# Altium PCB zs_sener_pcb.PcbDoc
Units mil, origin at the board's own origin, x right, y up, seen from the top; angles counter-clockwise.
Board outline 3875.03 x 1348.61 mil, 2 copper layers (Top Layer, Bottom Layer); 40 components, 33 nets, 133 pads, 54 vias.
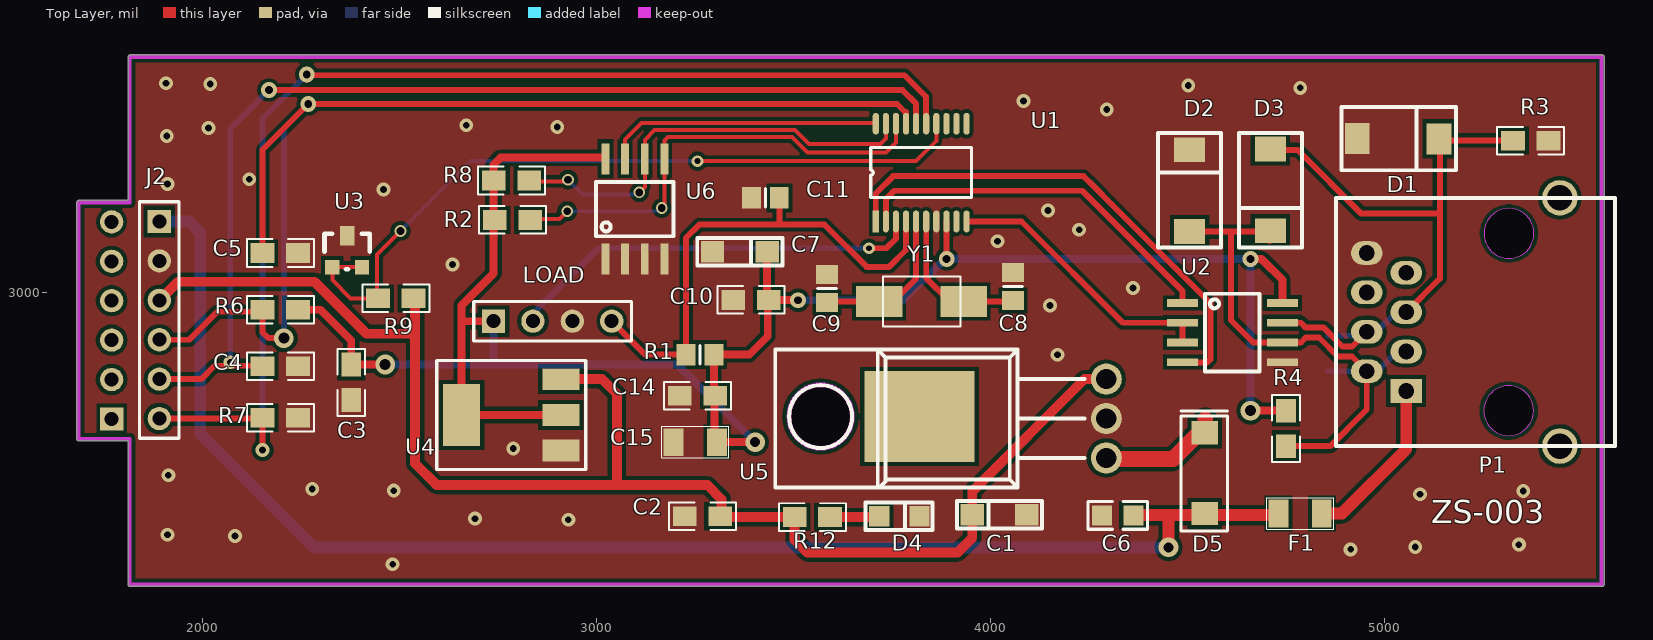
[diagram p0: Top Layer view]
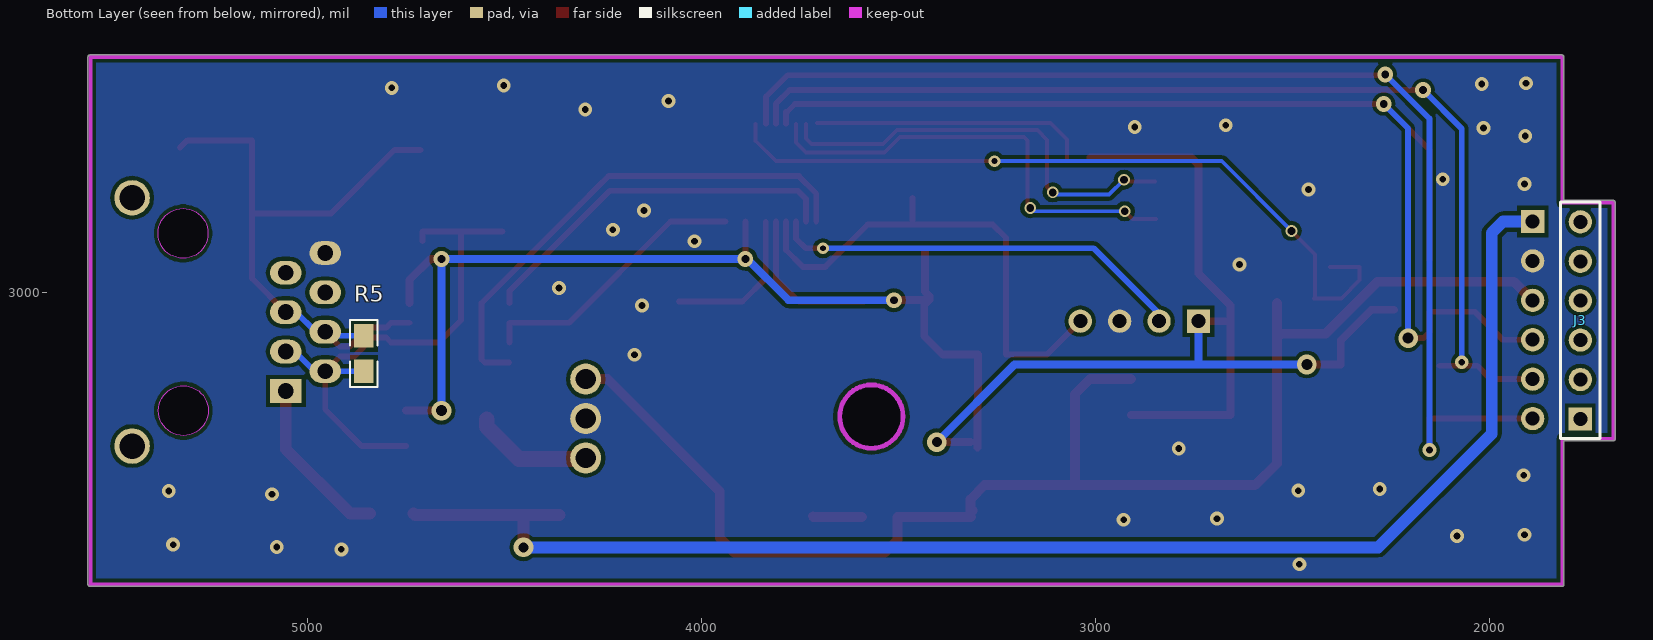
[diagram p1: Bottom Layer view, seen from below]

## Layer stack, top to bottom
Top Solder: solder mask 0.4, Solder Resist, Dk 3.5
Top Layer: signal copper 1.4
Dielectric 1: dielectric 12.6, FR-4, Dk 4.8
Bottom Layer: signal copper 1.4
Bottom Solder: solder mask 0.4, Solder Resist, Dk 3.5

## Board outline
1686,2622.99 cw(c1686,2628) 1680.98,2628 1680.98,3228.58 cw(c1686,3228.58) 1686,3233.6 1810.98,3233.6 1810.98,3597.58 cw(c1816,3597.58) 1816,3602.6 5551,3602.6 cw(c5551,3597.58) 5556.02,3597.58 5556.02,2259 cw(c5551,2259) 5551,2253.99 1816,2253.99 cw(c1816,2259) 1810.98,2259 1810.98,2622.99
cut-out: 5250.78,2699.95 ccw(c5314.04,2699.95) 5314.04,2636.69 ccw(c5314.04,2699.95) 5377.29,2699.95 ccw(c5314.04,2699.95) 5314.04,2763.2 ccw(c5314.04,2699.95)
cut-out: 5251.47,3149.73 ccw(c5314.73,3149.73) 5314.73,3086.47 ccw(c5314.73,3149.73) 5377.98,3149.73 ccw(c5314.73,3149.73) 5314.73,3212.98 ccw(c5314.73,3149.73)
cut-out: 3488.75,2685 ccw(c3568,2685) 3568,2605.75 ccw(c3568,2685) 3647.25,2685 ccw(c3568,2685) 3568,2764.25 ccw(c3568,2685)

## Design rules (kind name [scope] priority, off if disabled: settings)
Clearance Clearance_1 [InPolygon] p1: gap=10
Clearance [All] p2: gap=8
DiffPairsRouting [All] p1: maxlimit=10 minlimit=10 mostfreqgap=10 toplayer_minwidth=15 toplayer_maxwidth=15 toplayer_prefwidth=15 bottomlayer_minwidth=15 bottomlayer_maxwidth=15 bottomlayer_prefwidth=15 maxuncoupledlength=500
PolygonConnect [All] p1: connectstyle=Direct reliefconductorwidth=10 reliefentries=2 polygonreliefangle="90 Angle" airgapwidth=10
RoutingVias [All] p1: holewidth=28 width=50 viastyle="Through Hole" minholewidth=28 minwidth=50 maxholewidth=28 maxwidth=50
SolderMaskExpansion [All] p1: expansion=4
Width [All] p1: maxlimit=40 minlimit=6 preferedwidth=20
29 further rules are at their usual default settings.

## Classes and differential pairs
differential pair 485: +485_P -485_N

## Components (designator, comment, footprint, x,y, rotation, side; value= is the part's Value field where it differs from the comment)
C1 "10uF" 1206-d 4106.39,2435.97 r180 top
C2 "104" 0805 3223,2432 r0 top
C3 "104" 0805 2377,2727 r90 top
C4 "104" 0805 2242,2813 r180 top
C5 "104" 0805 2242,3100 r180 top
C6 "104" 0805C 4282,2434 r0 top
C7 "Cap" 1206-d 3279,3103 r0 top
C8 "Cap" 6-0805_N 4056,3015 r90 top
C9 "Cap" 6-0805_N 3584,3010 r270 top
C10 "Cap" 0805 3436.43,2981 r180 top
C11 "Cap" 6-0805_N 3428,3240 r0 top
C14 "Cap" 0805 3211,2738 r0 top
C15 "Cap Pol1" 1206 3305,2620 r180 top
D1 "SMBJ6.5CA" "smb do214aa" 4930,3390 r0 top
D2 "SMBJ6.5CA" "smb do214aa" 4504.31,3154.26 r90 top
D3 "SMBJ6.5CA" "smb do214aa" 4709.31,3364.26 r270 top
D4 "LED" 0805-D 3717,2432 r0 top
D5 "M7" "SMA (DO-214AC)" 4543,2644 r270 top
F1 "PPTC" 1206 4840,2439 r180 top
J2 "Header 6" HDR1X6 1890,3180 r270 top
J3 "Header 6" HDR1X6 1769,2679 r90 bottom
LOAD "SWIM" HDR1X4 2738,2927 r0 top
P1 "RJ45" RJ45 5054,2750 r90 top
R1 "Res1" 6-0805_N 3262,2842 r0 top
R2 "10K" 0805 2831,3184 r180 top
R3 "1K" 0805 5325,3385 r0 top
R4 "1K" 0805 4749,2700 r270 top
R5 "120" 0805 4856,2890 r270 bottom
R6 "10K" 0805 2152,2956 r0 top
R7 "1K" 0805 2242,2682 r180 top
R8 "10K" 0805 2829,3284 r180 top
R9 "100" 0805 2535,2985 r180 top
R12 "1K" 0805 3502,2430 r0 top
U1 "STM8L051F3" SOP20 3708.05,3180 r90 top
U2 "SP3485" SOP8 4486.06,2973 r0 top
U3 "TL431" sot-23 2329,3064 r0 top
U4 "AMS1117-3.3" SOT-223 2909,2599 r90 top
U5 "LM7805" TO-220 4293,2580 r90 top
U6 "AT24C02" sop8 3022,3085.06 r90 top
Y1 "16MHz" Y2 3931,2977 r180 top

## Footprints (in the part's own frame and the unit in brackets; to place one, negate y for a bottom-side part, rotate by r counter-clockwise, add the part's x,y. Pads: shape width x height; smd on the part's side, far side on the other; paste and mask are expansions set on the pad)
6-0805_N [mm] "Chip Resistor, Body 2.0x1.2mm, IPC Medium Density"
  rect 1.2x1.4 smd: 1(-0.9,0) 2(0.9,0)
  silkscreen extent 0,-0.6 0,0.6, body extent -1.07,-0.7 1.07,0.7, height 0.7
0805 [mil]
  rect 60x50 smd: 1(0,0) 2(90,0)
  silkscreen extent -40,-35 130,35
0805-D [mm]
  rect 1.3x1.3 smd: 1(0,0) 2(2.596,0)
  silkscreen extent -0.89,-0.89 3.43,0.89
0805C [mm] "0805无极性电容"
  rect 1.3x1.3 smd: 1(0,0) 2(2.027,0)
  silkscreen extent -0.9,-0.89 2.92,0.89
1206 [mil]
  rect 50x70 smd: 1(0,0) 2(110,0)
  silkscreen extent -30,-40 140,40
1206-d [mm]
  rect 1.5x1.4 smd: 1(0.381,0) 2(3.896,-0.001)
  silkscreen extent -0.61,-0.89 4.88,0.89
HDR1X4 [mm] "Connector; Header; 4 Position"
  rect 1.5x1.5 hole 0.9: 1(0,0)
  round 1.5 hole 0.9: 2(2.54,0) 3(5.08,0) 4(7.62,0)
  silkscreen extent -1.27,-1.27 8.89,1.27
HDR1X6 [mm] "Connector; Header; 6 Position"
  rect 1.5x1.5 hole 0.9: 1(0,0)
  round 1.5 hole 0.9: 2(2.54,0) 3(5.08,0) 4(7.62,0) 5(10.16,0) 6(12.7,0)
  silkscreen extent -1.27,-1.27 13.97,1.27
RJ45 [mil]
  rect 60x80 hole 40: 1(0,0)
  oval 60x80 hole 40: 2(50,100) 3(100,0) 4(150,100) 5(200,0) 6(250,100) 7(300,0) 8(350,100)
  round 90 hole 65: 11(490,-390) 12(-140,-390)
  silkscreen extent -140,-530 490,179
"SMA (DO-214AC)" [mm]
  rect 1.5x1.7 smd: 1(0,0) 2(5.213,0)
  silkscreen extent -1.4,-1.52 6.33,1.47
"smb do214aa" [mm]
  rect 1.6x2 smd: 1(0,0) 2(5.273,-0.003)
  silkscreen extent -1.02,-2.03 6.35,2.03
SOP8 [mm]
  rect 2x0.5 smd: 1(0,0) 2(0,-1.27) 3(0,-2.54) 4(0,-3.81) 5(6.45,-3.81) 6(6.45,-2.54) 7(6.45,-1.27) 8(6.45,0)
  silkscreen extent 1.46,-4.4 4.96,0.6
sop8 [mm]
  rect 2x0.5 smd: 1(0,0) 2(0,-1.27) 3(0,-2.54) 4(0,-3.81) 5(6.45,-3.81) 6(6.45,-2.54) 7(6.45,-1.27) 8(6.45,0)
  silkscreen extent 1.46,-4.4 4.96,0.6
SOP20 [mm]
  rect 1.4x0.4 smd: 1(0,0)
  oval 1.4x0.4 smd: 2(0,-0.65) 3(0,-1.3) 4(0,-1.95) 5(0,-2.6) 6(0,-3.25) 7(0,-3.9) 8(0,-4.55) 9(0,-5.2) 10(0,-5.85) 11(6.3,-5.85) 12(6.3,-5.2) 13(6.3,-4.55) 14(6.3,-3.9) 15(6.3,-3.25) 16(6.3,-2.6) 17(6.3,-1.95) 18(6.3,-1.3) 19(6.3,-0.65) 20(6.3,0)
  silkscreen extent 1.53,-6.18 4.77,0.33
sot-23 [mil]
  rect 36x36 smd: 1(0,0) 2(75,0)
  rect 36x50 smd: 3(38,80)
  silkscreen extent -20,-5 95,85
SOT-223 [mil]
  rect 55x94 smd: 1(0,0) 2(90,0) 3(181,0)
  rect 157x94 smd: 4(90,252)
  silkscreen extent -48,-63 228,315
TO-220 [mm]
  round 2 hole 1.3: 1(0,0) 2(2.54,0) 3(5.08,0)
  rect 5.842x7.112 smd: ""(2.667,12.04)
  Keep-Out Layer circle w0.254: c2.667,18.415 r2.067
  silkscreen extent -1.91,1.4 6.98,21.34
Y2 [mm]
  rect 3x2 smd: 1(0,0) 2(5.45,0)
  silkscreen extent 0.2,-1.6 5.2,1.6

## Part data
C1: library part CAP-POL
C2 C4 C5 C6: library part CAP
C3: library part Cap
C7 C8 C9 C10 C11 C14: "Capacitor"
C15: "Polarized Capacitor (Radial)"
J2 J3: "Header, 6-Pin"
LOAD: library part "Header 4", "Header, 4-Pin"
P1: library part "Header 8", "Header, 8-Pin"
R1: "Resistor"
R2 R3 R4 R5 R6 R7 R8 R9 R12: library part Res
Y1: library part XTAL, "Crystal Oscillator"

## Via types
v1: diameter 35, hole 17, Top Layer to Bottom Layer, tented both sides, 36 vias
v2: diameter 40, hole 20, Top Layer to Bottom Layer, tented both sides, 6 vias
v3: diameter 30, hole 20, Top Layer to Bottom Layer, tented both sides, 5 vias
v4: diameter 50, hole 28, Top Layer to Bottom Layer, tented both sides, 3 vias
v5: diameter 50, hole 25, Top Layer to Bottom Layer, tented both sides, 2 vias
v6: diameter 30, hole 15, Top Layer to Bottom Layer, tented both sides, 2 vias

## Nets (pads, with @x,y where several pads share a name; then routed paths per layer and width w, separated by ;. In a path a pad name is that pad's centre, name@x,y a point inside that pad or via, vN(x,y) a via of type N, cw(c..) or ccw(c..) an arc to the next point about the centre after c; other vN are vias at no path point)
485_N: D1.2 D3.1 P1.4 P1.5 R3.1 R5.1 U2.7 | length 1633.7
  Top Layer w15: D3.1@4711.72,3361.85 4778.15,3361.85 4940,3200 5139.59,3200 ; U2.7 4786.87,2923 4799.37,2910.5 4844.5,2910.5 4892.5,2862.5 4916.5,2862.5 P1.4 ; P1.5 5139.59,3035.59 5139.59,3200 ; R3.1@5322,3368 5304,3386 5139.59,3386 5139.59,3200
  Bottom Layer w15: R5.1 4944,2890 P1.4 4978,2900 5028,2950 P1.5
485_P: D2.1 D3.2 P1.2 P1.3 R4.2 R5.2 U2.6 | length 1418.6
  Top Layer w15: D2.1 4609,3154.26 ; D3.2@4706.79,3130.79 4706.79,3154.26 4609,3154.26 ; R4.2 4861,2610 4954,2703 P1.2 4916.5,2837.5 4880.64,2837.5 4832.64,2885.5 4799.37,2885.5 4786.87,2873 U2.6 4666,2873 4609,2930 4609,3154.26
  Bottom Layer w15: R5.2 P1.2 4981,2800 5031,2850 P1.3
AD_IN1: C5.2 J2.4 R6.1 U1.17 | length 3021.4
  Top Layer w15: J2.4 1966,2880 2037,2951 2152,2951 2152,2899 2167,2884 v4(2206,2884) ; C5.2@2152,3083 C5.2 2152,3362 v2(2268,3478) 3762,3478 3782,3458 3784.82,3458 U1.17
  Bottom Layer w15: v4(2206,2884) 2206,3416 v2(2268,3478)
AD_IN2: C4.2 J2.5 U1.16 | length 2688.6
  Top Layer w15: J2.5 1996,2780 2030,2814 C4.2@2126,2814 ; v2(2168,3513.5) 3775.5,3513.5 3810.41,3478.59 U1.16
  Bottom Layer w15: v1(2070,2823) 2070,3415.5 v2(2168,3513.5)
AD_IN3: J2.6 R7.2 U1.15 | length 2998.7
  Top Layer w15: J2.6 R7.2@2140,2680 ; v1(2152,2600) R7.2 ; v2@2264,3540 2275,3551 3781,3551 3835,3497 3835,3429.03 U1.15
  Bottom Layer w15: v1(2152,2600) 2152,3441 v2(2264,3553)
AD_IN4: R9.2 U1.14 U3.1 U3.2 | length 1936.6
  Top Layer w10: U3.2 U3.1 2329,3031 2375,2985 R9.2@2442,2985 ; R9.2 R9.2@2442,2985 ; v3(2502,3156) 2442,3096 R9.2@2442,2985 ; v6(3256,3333) 3810,3333 3861.59,3384.59 U1.14
  Bottom Layer w10: v3(2502,3156) 2679,3333 v6(3256,3333)
DEN: 
DGND: 
EN: U1.10 U2.2 U2.3 | length 704.2
  Top Layer w15: U1.10 4078,3180 4335,2923 U2.2 U2.3
GND: C1.1 C2.1 C3.1 C4.1 C5.1 C6.1 C7.1 C8.2 C9.1 C10.2 C11.1 C14.1 C15.2 D1.1 D2.2 D4.2 J2.2 LOAD.3 P1.8 R3.2 R7.1 U1.7 U2.5 U3.3 U4.1 U5.2 U6.1 U6.2 U6.3 U6.4
  other v1: 2482,2310 4913,2348 5077,2354 5340,2360 2082,2382 1911,2385 2928,2423 2691,2426 5089,2488 5351,2496 2485,2497 2278,2501 1913,2536 2788,2604 4169,2842 4150,2967 4361,3011 2634,3071 4017,3130 4224,3159 4145,3208 2459,3261 1911,3275 2118,3287 1909,3397 2015,3417 2900,3420 2669,3424 4294,3464 4083,3486 4785,3519 4501,3525 2019,3529 1907,3531
HUMI: 
IIC_SCL: R8.1 U1.19 U6.6 | length 1092.6
  Top Layer w10: R8.1@2848,3282 v3@2923,3282 ; v3(3108,3254) 3122,3268 U6.6 3122,3387 3147,3412 3503.46,3412 3538.46,3377 3720,3377 3733.64,3390.64 U1.19
  Bottom Layer w10: v3(2927,3286) 2965,3248 3102,3248 v3(3108,3254)
IIC_SDA: R2.1 U1.18 U6.5 | length 1169.9
  Top Layer w10: R2.1@2846,3186 2905,3186 v3(2925,3206) ; v3(3165,3214) 3172,3221 U6.5 3172,3385 3181,3394 3496,3394 3535,3355 3734,3355 3759.23,3380.23 U1.18
  Bottom Layer w10: v3(2925,3206) 3157,3206 v3(3165,3214)
NetD4_1: D4.1 R12.2 | length 125.8
  Top Layer w25: R12.2 3715,2430 D4.1
NetD5_1: D5.1 U5.1 | length 306.5
  Top Layer w40: U5.1@4293,2571 4299,2577 4462,2577 4544,2659 4544,2678
NetF1_1: F1.1 P1.1 | length 429.5
  Top Layer w30: F1.1 4891,2439 5054,2602 P1.1
NetR1_2: 
NetR3_2: 
NTC: 
PA0: LOAD.2 U1.3 | length 1062.8
  Top Layer w15: v6(3691,3112) 3735,3112 3759.23,3136.23 U1.3
  Bottom Layer w15: LOAD.2 2838,2946 3004,3112 v6(3691,3112)
PA1: C11.2 LOAD.4 R1.1 U1.4 | length 1295.7
  Top Layer w15: LOAD.4 3123,2842 R1.1 3226.57,3138.57 3260,3172 3466,3172 ; C11.2 3463.43,3174.57 3466,3172 ; U1.4 3784.82,3107.82 3742,3065 3685,3065 3578,3172 3466,3172
PA2: C9.2 U1.5 Y1.2 | length 392.8
  Top Layer w15: C9.2@3586.43,2977 Y1.2 3752,2977 3810.41,3035.41 U1.5
PA3: C8.1 U1.6 Y1.1 | length 387.1
  Top Layer w15: U1.6@3836.18,3179.18 3836.18,3035.82 3895,2977 Y1.1 ; Y1.1@3931.43,2977.43 C8.1@4056,2977.43
PB1: U1.11
PB2: U1.12
PB3: U1.13
PC4: U1.20 U6.7 | length 700.5
  Top Layer w10: U6.7 3072,3388 3114,3430 U1.20@3706.08,3430
PC5: U1.1 U2.4 | length 1287.9
  Top Layer w15: U1.1 3708.05,3251.05 3752,3295 4235.2,3295 4260.76,3269.43 4307.43,3222.76 4557,2973.2 4557,2830 4549,2822 U2.4@4487.06,2822
PC6: U1.2 U2.1 | length 954.1
  Top Layer w15: U1.2 3733.64,3236.64 3755,3258 4232,3258 4486.06,3003.94 U2.1
PD0: U1.9
VCC3.3: C3.2 C7.2 C10.1 C14.2 C15.1 LOAD.1 R1.2 R2.2 R4.1 R6.2 R8.2 U1.8 U2.8 U4.2 U4.4 U6.8 | length 5418.7
  Top Layer w15: v2@3887.18,3085 U1.8
  Top Layer w20: R6.2 2299,2956 2377,2878 C3.2 v4(2463,2817) ; LOAD.1 2658,2927 2657,2928 ; U4.2 U4.4 2657,2928 ; 3012,3342 2756,3342 2738,3324 2738,3048 2657,2967 2657,2928 ; C14.2@3297.43,2721.57 R1.2 3387,2842 3434,2889 3434,2968 3420,2982 3420,2990 3432.39,3002.39 C7.2 ; C15.1@3299,2606 C14.2@3299,2713 ; C15.1@3317,2620 v5(3402,2620) ; C10.1 v2@3510,2981 ; v4(4659,2700) R4.1 ; v2(4659,3085) 4687,3085 4740,3032 U2.8
  Bottom Layer w20: v4(2463,2817) 2738,2817 ; LOAD.1 2738,2817 ; v5(3402,2620) 3205,2817 2738,2817 ; v2(3511,2980) 3778,2980 3883,3085 v2(3888,3085) v2(4659,3085) v4(4659,2700)
VCC5: C1.2 C2.2 J2.3 R9.1 R12.1 U4.3 U5.3 | length 3711.1
  Top Layer w15: U5.3 U5.3@4314.41,2758.59
  Top Layer w25: J2.3 1937,3027 2284,3027 2416,2895 2529,2895 2539,2885 ; R9.1@2539,2973 2539,2885 ; U4.3 3013,2780 3051,2742 3051,2512 ; C2.2@3311,2447 3317,2441 3317,2475 3281,2511 2594,2511 2539,2566 2539,2885 ; C2.2@3315,2430 R12.1 3502,2372 3534,2340 3916,2340 3953,2377 3953,2495 4238,2780 U5.3
VCC12: C6.2 D5.2 F1.2 J2.1 | length 3657.2
  Top Layer w30: C6.2@4358.8,2435 4451,2435 ; v5(4451,2353) 4451,2435 ; F1.2 4726,2435 4451,2435
  Bottom Layer w30: J2.1 1965,3180 1994,3151 1994,2641 2282,2353 v5(4451,2353)
pads on no net: J3.1 J3.2 J3.3 J3.4 J3.5 J3.6 P1.6 P1.7 P1.11 P1.12 U5.

## Polygon pours and split planes (outlines as drawn)
GND on Bottom Layer "Keep-Out Layer-No Net 1" (solid, remove dead copper, pour order 8): 1685,2622.99 cw(c1685,2628) 1679.98,2628 1679.98,3228.58 cw(c1685,3228.58) 1685,3233.6 1809.98,3233.6 1809.98,3597.58 cw(c1815,3597.58) 1815,3602.6 5550,3602.6 cw(c5550,3597.58) 5555.02,3597.58 5555.02,2259 cw(c5550,2259) 5550,2253.99 1815,2253.99 cw(c1815,2259) 1809.98,2259 1809.98,2622.99
GND on Top Layer "Keep-Out Layer-No Net" (solid, remove dead copper, pour order 7): 1685,2622.99 cw(c1685,2628) 1679.98,2628 1679.98,3228.58 cw(c1685,3228.58) 1685,3233.6 1809.98,3233.6 1809.98,3597.58 cw(c1815,3597.58) 1815,3602.6 5550,3602.6 cw(c5550,3597.58) 5555.02,3597.58 5555.02,2259 cw(c5550,2259) 5550,2253.99 1815,2253.99 cw(c1815,2259) 1809.98,2259 1809.98,2622.99

## Keep-outs
Keep-Out Layer:
  circle w10: c3568,2685 r79.25
  lines w10: 5550,2472 5550,3365.58 ; 5550,2486 5550,2259 1815,2259 1815,2628 1685,2628 1685,3228.58 1815,3228.58 1815,3597.58 5550,3597.58 5550,3370.58 ; 5550,3343 5550,3381

## Silkscreen, mask and mechanical layers (free items; w line width, h text height)
Top Overlay:
  text "ZS-003" at 5117,2395 h100
Top Solder:
  text "ZS" at 1902,3488 h70
Mechanical 1:
  circle w10: c3569,2685 r79.25
  lines w10: 5551,2472 5551,3365.58 ; 5551,2486 5551,2259 1816,2259 1816,2628 1686,2628 1686,3228.58 1816,3228.58 1816,3597.58 5551,3597.58 5551,3370.58 ; 5551,3343 5551,3381